# Altium PCB 键盘-DeckDes.PcbDoc (part 3 of 4) (continued)
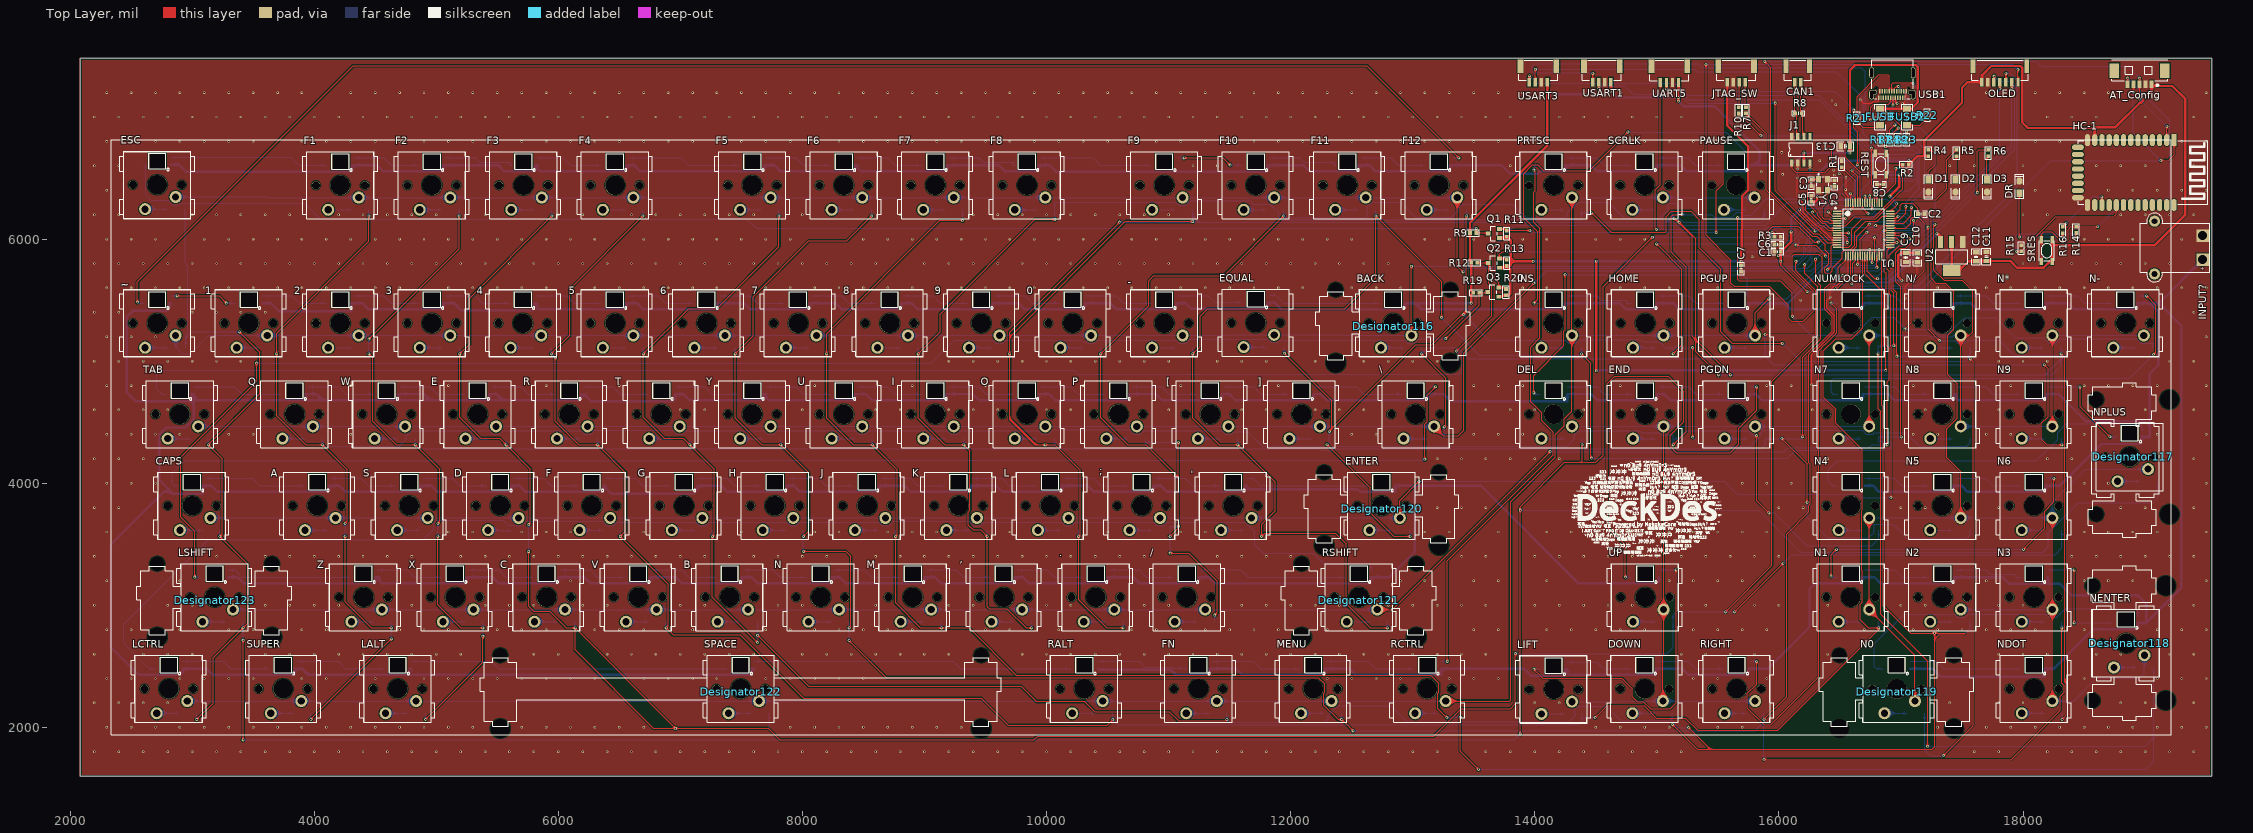
[diagram p0: Top Layer view]
## Nets (pads, with @x,y where several pads share a name; then routed paths per layer and width w, separated by ;. In a path a pad name is that pad's centre, name@x,y a point inside that pad or via, vN(x,y) a via of type N, cw(c..) or ccw(c..) an arc to the next point about the centre after c; other vN are vias at no path point) (continued)
NetD71_1: D71.1 SUPER.2 | length 182
  Bottom Layer w10: SUPER.2@3645,2115 D71.1@3827,2115
NetD72_1: D72.1 LALT.2 | length 182
  Bottom Layer w10: LALT.2@4585,2115 D72.1@4767,2115
NetD73_1: D73.1 SPACE.2 | length 187
  Bottom Layer w10: SPACE.2@7395,2115 D73.1@7582,2115
NetD74_1: D74.1 RALT.2 | length 187
  Bottom Layer w10: RALT.2@10210,2115 D74.1@10397,2115
NetD75_1: D75.1 FN.2 | length 187
  Bottom Layer w10: FN.2@11145,2115 D75.1@11332,2115
NetD76_1: D76.1 MENU.2 | length 187
  Bottom Layer w10: MENU.2@12085,2115 D76.1@12272,2115
NetD77_1: D77.1 RCTRL.2 | length 182
  Bottom Layer w10: RCTRL.2@13020,2115 D77.1@13202,2115
NetD78_1: D78.1 PRTSC.2 | length 182
  Bottom Layer w10: PRTSC.2@14055,6240 D78.1@14237,6240
NetD79_1: D79.1 SCRLK.2 | length 182
  Bottom Layer w10: SCRLK.2@14800,6240 D79.1@14982,6240
NetD80_1: D80.1 PAUSE.2 | length 187
  Bottom Layer w10: PAUSE.2@15550,6240 D80.1@15737,6240
NetD81_1: D81.1 INS.2 | length 182
  Bottom Layer w10: INS.2@14055,5110 D81.1@14237,5110
NetD82_1: D82.1 HOME.2 | length 182
  Bottom Layer w10: HOME.2@14805,5110 D82.1@14987,5110
NetD83_1: D83.1 PGUP.2 | length 187
  Bottom Layer w10: PGUP.2@15555,5110 D83.1@15742,5110
NetD84_1: D84.1 DEL.2 | length 187
  Bottom Layer w10: DEL.2@14055,4365 D84.1@14242,4365
NetD85_1: D85.1 END.2 | length 182
  Bottom Layer w10: END.2@14805,4365 D85.1@14987,4365
NetD86_1: D86.1 PGDN.2 | length 187
  Bottom Layer w10: PGDN.2@15555,4365 D86.1@15742,4365
NetD87_1: D87.1 UP.2 | length 182
  Bottom Layer w10: UP.2@14805,2865 D87.1@14987,2865
NetD88_1: D88.1 LIFT.2 | length 187
  Bottom Layer w10: LIFT.2@14055,2110 D88.1@14242,2110
NetD89_1: D89.1 DOWN.2 | length 182
  Bottom Layer w10: DOWN.2@14800,2115 D89.1@14982,2115
NetD90_1: D90.1 RIGHT.2 | length 177
  Bottom Layer w10: RIGHT.2@15555,2115 D90.1@15732,2115
NetD91_1: D91.1 NUMLOCK.2 | length 177
  Bottom Layer w10: NUMLOCK.2@16490,5110 D91.1@16667,5110
NetD92_1: D92.1 N/.2 | length 182
  Bottom Layer w10: N/.2@17240,5110 D92.1@17422,5110
NetD93_1: D93.1 N*.2 | length 177
  Bottom Layer w10: N*.2@17990,5110 D93.1@18167,5110
NetD94_1: D94.1 N-.2 | length 182
  Bottom Layer w10: N-.2@18740,5110 D94.1@18922,5110
NetD95_1: D95.1 N7.2 | length 182
  Bottom Layer w10: N7.2@16490,4365 D95.1@16672,4365
NetD96_1: D96.1 N8.2 | length 182
  Bottom Layer w10: N8.2@17240,4365 D96.1@17422,4365
NetD97_1: D97.1 N9.2 | length 182
  Bottom Layer w10: N9.2@17990,4365 D97.1@18172,4365
NetD98_1: D98.1 NPLUS.2 | length 182
  Bottom Layer w10: NPLUS.2@18775,4015 D98.1@18957,4015
NetD99_1: D99.1 N4.2 | length 182
  Bottom Layer w10: N4.2@16490,3615 D99.1@16672,3615
NetD100_1: D100.1 N5.2 | length 182
  Bottom Layer w10: N5.2@17240,3615 D100.1@17422,3615
NetD101_1: D101.1 N6.2 | length 182
  Bottom Layer w10: N6.2@17990,3615 D101.1@18172,3615
NetD102_1: D102.1 N1.2 | length 182
  Bottom Layer w10: N1.2@16490,2865 D102.1@16672,2865
NetD103_1: D103.1 N2.2 | length 182
  Bottom Layer w10: N2.2@17240,2865 D103.1@17422,2865
NetD104_1: D104.1 N3.2 | length 182
  Bottom Layer w10: N3.2@17990,2865 D104.1@18172,2865
NetD105_1: D105.1 NENTER.2 | length 182
  Bottom Layer w10: NENTER.2@18745,2490 D105.1@18927,2490
NetD106_1: D106.1 N0.2 | length 182
  Bottom Layer w10: N0.2@16865,2115 D106.1@17047,2115
NetD107_1: D107.1 NDOT.2 | length 185
  Bottom Layer w10: NDOT.2@17990,2115 D107.1@18175,2115
NetD_4: D.4 F.6 | length 550.1
  Bottom Layer w10: D.4@5637.2,4039.53 5881,4039.53 5940.06,3980.47 F.6@6162.8,3980.47
NetD_6: D.6 S.4 | length 545.1
  Bottom Layer w10: S.4@4892.2,4039.53 5133,4039.53 5192.06,3980.47 D.6@5412.8,3980.47
NetDEL_4: DEL.4 END.6 | length 550.1
  Bottom Layer w10: DEL.4@14267.2,4789.53 14511,4789.53 14570.06,4730.47 END.6@14792.8,4730.47
NetDOWN_4: DOWN.4 RIGHT.6 | length 555.1
  Bottom Layer w10: DOWN.4@15012.2,2539.53 15258,2539.53 15317.06,2480.47 RIGHT.6@15542.8,2480.47
NetDOWN_6: DOWN.6 LIFT.4 | length 543
  Bottom Layer w10: LIFT.4@14267.2,2534.53 14511,2534.53 14565.06,2480.47 DOWN.6@14787.8,2480.47
NetDR_1: DR.1 R16.2 | length 744.8
  Top Layer w10: v2(17970,6017) DR.1@17970,6375 ; v2(18325,6017) R16.2@18325,6048.82
  Bottom Layer w10: v2(17970,6017) v2(18325,6017)
NetE_4: E.4 R.6 | length 550.1
  Bottom Layer w10: E.4@5452.2,4789.53 5696,4789.53 5755.06,4730.47 R.6@5977.8,4730.47
NetE_6: E.6 W.4 | length 545.1
  Bottom Layer w10: W.4@4707.2,4789.53 4948,4789.53 5007.06,4730.47 E.6@5227.8,4730.47
NetEND_4: END.4 PGDN.6 | length 550.1
  Bottom Layer w10: END.4@15017.2,4789.53 15261,4789.53 15320.06,4730.47 PGDN.6@15542.8,4730.47
NetESC_4: ESC.4 F1.6 | length 1302.1
  Bottom Layer w10: ESC.4@2827.2,6669.53 3809.47,6669.53 3873.53,6605.47 F1.6@4102.8,6605.47
NetF1_4: F1.4 F2.6 | length 550.1
  Bottom Layer w10: F1.4@4327.2,6664.53 4571,6664.53 4630.06,6605.47 F2.6@4852.8,6605.47
NetF2_4: F2.4 F3.6 | length 571.5
  Bottom Layer w10: F2.4@5077.2,6664.53 5321,6664.53 5356.53,6629 5590,6629 5613.53,6605.47 F3.6@5602.8,6605.47
NetF3_4: F3.4 F4.6 | length 550.1
  Bottom Layer w10: F3.4@5827.2,6664.53 6041.33,6664.53 6100.39,6605.47 F4.6@6352.8,6605.47
NetF4_4: F4.4 F5.6 | length 925.1
  Bottom Layer w10: F4.4@6577.2,6664.53 7008,6664.53 7067.06,6605.47 F5.6@7477.8,6605.47
NetF5_4: F5.4 F6.6 | length 550.1
  Bottom Layer w10: F5.4@7702.2,6664.53 7946,6664.53 8005.06,6605.47 F6.6@8227.8,6605.47
NetF6_4: F6.4 F7.6 | length 550.1
  Bottom Layer w10: F6.4@8452.2,6664.53 8696,6664.53 8755.06,6605.47 F7.6@8977.8,6605.47
NetF7_4: F7.4 F8.6 | length 571.5
  Bottom Layer w10: F7.4@9202.2,6664.53 9446,6664.53 9481.53,6629 9715,6629 9738.53,6605.47 F8.6@9727.8,6605.47
NetF8_4: F8.4 F9.6 | length 925.1
  Bottom Layer w10: F8.4@9952.2,6664.53 10383,6664.53 10442.06,6605.47 F9.6@10852.8,6605.47
NetF9_4: F9.4 F10.6 | length 550.4
  Top Layer w10: v2(11128,6665) 11444.47,6665 v2(11504,6605.47)
  Bottom Layer w10: F9.4@11077.2,6664.53 11127.53,6664.53 v2(11128,6665) ; v2(11504,6605.47) F10.6@11602.8,6605.47
NetF10_4: F10.4 F11.6 | length 571.5
  Bottom Layer w10: F10.4@11827.2,6664.53 12071,6664.53 12106.53,6629 12340,6629 12363.53,6605.47 F11.6@12352.8,6605.47
NetF11_4: F11.4 F12.6 | length 550.1
  Bottom Layer w10: F11.4@12577.2,6664.53 12821,6664.53 12880.06,6605.47 F12.6@13102.8,6605.47
NetF_4: F.4 G.6 | length 555.1
  Bottom Layer w10: F.4@6387.2,4039.53 6633,4039.53 6692.06,3980.47 G.6@6917.8,3980.47
NetFN_4: FN.4 MENU.6 | length 740.1
  Bottom Layer w10: FN.4@11357.2,2539.53 11696,2539.53 11755.06,2480.47 MENU.6@12072.8,2480.47
NetFN_6: FN.6 RALT.4 | length 756.5
  Bottom Layer w10: RALT.4@10422.2,2539.53 10758,2539.53 10804.65,2492.87 11029.47,2492.87 11037.35,2485 11139,2485 11143.53,2480.47 FN.6@11132.8,2480.47
NetFUSB2_1: FUSB2.1 R22.2 | length 188.6
  Top Layer w10: FUSB2.1@17050,6932.5 17158.08,6932.5 R22.2@17215,6989.41
NetFUSB_2: FUSB.2 R21.1 | length 226.1
  Top Layer w10: R21.1@16640,6965 16688.48,6916.52 16802.5,6916.52 16802.5,6932.5 FUSB.2@16830,6932.5
NetG_4: G.4 H.6 | length 545.1
  Bottom Layer w10: G.4@7142.2,4039.53 7383,4039.53 7442.06,3980.47 H.6@7662.8,3980.47
NetH_4: H.4 J.6 | length 555.1
  Bottom Layer w10: H.4@7887.2,4039.53 8133,4039.53 8192.06,3980.47 J.6@8417.8,3980.47
NetHC-1_24: HC-1.24 R16.1 | length 490.2
  Top Layer w10: R16.1@18325,6100 v2(18353,6128) ; HC-1.24@18646.54,6279.25 v2(18646.54,6346)
  Bottom Layer w10: v2(18353,6128) 18571,6346 v2(18646.54,6346)
NetHC-1_26: HC-1.26 R14.1 R15.1 | length 1690.9
  Top Layer w10: v2(17945,5899.41) R15.1@17985,5899.41 18269.6,6184 18744,6184 18764.65,6204.65 HC-1.26@18764.65,6279.25 ; v2(18435,6017.4) R14.1@18435,6049.41
  Bottom Layer w10: v2(17945,5899.41) 17945,6030 17960,6045 18407.4,6045 v2(18435,6017.4)
NetHOME_4: HOME.4 PGUP.6 | length 550.1
  Bottom Layer w10: HOME.4@15017.2,5534.53 15261,5534.53 15320.06,5475.47 PGUP.6@15542.8,5475.47
NetHOME_6: HOME.6 INS.4 | length 560.8
  Bottom Layer w10: INS.4@14267.2,5534.53 14511,5534.53 14546.53,5499 14736.47,5499 14760,5475.47 HOME.6@14792.8,5475.47 HOME.6@14803.53,5475.47
NetI_4: I.4 O.6 | length 550.1
  Bottom Layer w10: I.4@9202.2,4789.53 9446,4789.53 9505.06,4730.47 O.6@9727.8,4730.47
NetI_6: I.6 U.4 | length 550.1
  Bottom Layer w10: U.4@8452.2,4789.53 8696,4789.53 8755.06,4730.47 I.6@8977.8,4730.47
NetINS_6: INS.6 PAUSE.4 | length 3313.8
  Top Layer w10: v2(13993,5475.47) 14023,5505.47 14023,6061 13908,6176 13908,6535 13980,6607 14024,6607 14072,6559 14445,6559 v2(14763,6877)
  Bottom Layer w10: v2(13993,5475.47) INS.6@14042.8,5475.47 ; v2(14763,6877) 15569,6877 15746,6700 15746,6664.53 PAUSE.4@15762.2,6664.53
NetJ_4: J.4 K.6 | length 550.1
  Bottom Layer w10: J.4@8642.2,4039.53 8886,4039.53 8945.06,3980.47 K.6@9167.8,3980.47
NetJTAG_SW_1: JTAG_SW.1 R7.1 | length 206.8
  Top Layer w10: JTAG_SW.1@15724.21,7285 15724.21,7086.38 R7.1@15730,7080.59
NetJTAG_SW_2: JTAG_SW.2 R10.1 | length 207.1
  Top Layer w10: R10.1@15670,7080 15675,7085 JTAG_SW.2@15675,7285
NetK_4: K.4 L.6 | length 550.1
  Bottom Layer w10: K.4@9392.2,4039.53 9636,4039.53 9695.06,3980.47 L.6@9917.8,3980.47
NetLALT_4: LALT.4 SPACE.6 | length 2610.1
  Bottom Layer w10: LALT.4@4797.2,2539.53 5452.47,2539.53 5511.53,2480.47 SPACE.6@7382.8,2480.47
NetLALT_6: LALT.6 SUPER.4 | length 740.1
  Bottom Layer w10: SUPER.4@3857.2,2539.53 4196,2539.53 4255.06,2480.47 LALT.6@4572.8,2480.47
NetLCTRL_4: LCTRL.4 SUPER.6 | length 735.1
  Bottom Layer w10: LCTRL.4@2922.2,2539.53 3258,2539.53 3317.06,2480.47 SUPER.6@3632.8,2480.47
NetLIFT_6: LIFT.6 UP.4 | length 2641.4
  Top Layer w10: v2(13992,2476) 14065,2403 14714,2403 14800,2317 14800,2251 14840,2211 14888,2211 14949,2150 15108,2150 15158,2200 v2(15158,3289)
  Bottom Layer w10: v2(13992,2476) 13992.53,2475.47 LIFT.6@14042.8,2475.47 ; UP.4@15017.2,3289.53 15157.47,3289.53 v2(15158,3289)
NetLSHIFT_4: LSHIFT.4 Z.6 | length 1020.1
  Bottom Layer w10: LSHIFT.4@3297.2,3289.53 3347.68,3289.53 3406.73,3230.47 Z.6@4292.8,3230.47
NetM_6: M.6 N.4 | length 555.1
  Bottom Layer w10: N.4@8262.2,3289.53 8508,3289.53 8567.06,3230.47 M.6@8792.8,3230.47
NetMENU_4: MENU.4 RCTRL.6 | length 735.1
  Bottom Layer w10: MENU.4@12297.2,2539.53 12633,2539.53 12692.06,2480.47 RCTRL.6@13007.8,2480.47
NetN0_4: N0.4 NDOT.6 | length 925.1
  Bottom Layer w10: N0.4@17077.2,2539.53 17291,2539.53 17350.06,2480.47 NDOT.6@17977.8,2480.47
NetN0_6: N0.6 NENTER.4 | length 2643
  Bottom Layer w10: N0.6@16852.8,2480.47 16800,2480.47 16783,2497.47 16783,2683 17028,2928 17439.19,2928 17464.28,2902.91 17525,2902.91 17550.09,2928 18189.19,2928 18214.28,2902.91 18277,2902.91 18346.09,2972 18920,2972 18941,2951 18941,2914.53 NENTER.4@18957.2,2914.53
NetN1_4: N1.4 N2.6 | length 550.1
  Bottom Layer w10: N1.4@16702.2,3289.53 16946,3289.53 17005.06,3230.47 N2.6@17227.8,3230.47
NetN1_6: N1.6 N6.4 | length 2559.4
  Top Layer w10: v2(16427,3239) 16427,3413 v2(16472,3458) ; v2(18004,3458) 18177.81,3631.81 18177.81,3771.46 18253,3846.66 v2(18253,4039.53)
  Bottom Layer w10: v2(16427,3239) 16435.53,3230.47 N1.6@16477.8,3230.47 ; v2(16472,3458) v2(18004,3458) ; N6.4@18202.2,4039.53 v2(18253,4039.53)
NetN2_4: N2.4 N3.6 | length 560.8
  Bottom Layer w10: N2.4@17452.2,3289.53 17696,3289.53 17731.53,3254 17926.47,3254 17950,3230.47 N3.6@17977.8,3230.47 N3.6@17988.53,3230.47
NetN3_4: N3.4 NENTER.6 | length 964.6
  Top Layer w10: v2(18419,2855.47) v2(18419,3289.53)
  Bottom Layer w10: N3.4@18202.2,3289.53 v2(18419,3289.53) ; v2(18419,2855.47) NENTER.6@18732.8,2855.47
NetN4_4: N4.4 N5.6 | length 550.1
  Bottom Layer w10: N4.4@16702.2,4039.53 16946,4039.53 17005.06,3980.47 N5.6@17227.8,3980.47
NetN4_6: N4.6 NPLUS.4 | length 2992.4
  Bottom Layer w10: N4.6@16477.8,3980.47 16440,3980.47 16405,4015.47 16405,4109 16480,4184 18110,4184 18283,4357 18283,4414 18354.87,4485.87 18960,4485.87 18971,4474.87 18971,4439.53 NPLUS.4@18987.2,4439.53
NetN5_4: N5.4 N6.6 | length 550.1
  Bottom Layer w10: N5.4@17452.2,4039.53 17696,4039.53 17755.06,3980.47 N6.6@17977.8,3980.47
NetN7_4: N7.4 N8.6 | length 550.1
  Bottom Layer w10: N7.4@16702.2,4789.53 16946,4789.53 17005.06,4730.47 N8.6@17227.8,4730.47
NetN7_6: N7.6 N-.4 | length 3461
  Top Layer w10: v2(19012,5534.53) 19087,5459.53 19087,5072 v2(19069,5054)
  Bottom Layer w10: N7.6@16477.8,4730.47 16440,4730.47 16427,4743.47 16427,4838 16450,4861 18876,4861 v2(19069,5054) ; N-.4@18952.2,5534.53 v2(19012,5534.53)
NetN8_4: N8.4 N9.6 | length 550.1
  Bottom Layer w10: N8.4@17452.2,4789.53 17696,4789.53 17755.06,4730.47 N9.6@17977.8,4730.47
NetN*_4: N*.4 N-.6 | length 550.1
  Bottom Layer w10: N*.4@18202.2,5534.53 18446,5534.53 18505.06,5475.47 N-.6@18727.8,5475.47
NetN*_6: N*.6 N/.4 | length 550.1
  Bottom Layer w10: N/.4@17452.2,5534.53 17696,5534.53 17755.06,5475.47 N*.6@17977.8,5475.47
NetN/_6: N/.6 NUMLOCK.4 | length 550.1
  Bottom Layer w10: NUMLOCK.4@16702.2,5534.53 16946,5534.53 17005.06,5475.47 N/.6@17227.8,5475.47
NetNUMLOCK_6: NUMLOCK.6 RIGHT.4 | length 4462.6
  Top Layer w10: v2(15818,2540) 15818,2353 15742,2277 15742,2157 15879,2020 15933,2020 16326,2413 16326,5086 16376.49,5136.49 16378.04,5136.49 16472.75,5231.19 16472.75,5429.25 v2(16427,5475)
  Bottom Layer w10: RIGHT.4@15767.2,2539.53 15817.53,2539.53 v2(15818,2540) ; v2(16427,5475) 16427.47,5475.47 NUMLOCK.6@16477.8,5475.47
NetO_4: O.4 P.6 | length 550.1
  Bottom Layer w10: O.4@9952.2,4789.53 10196,4789.53 10255.06,4730.47 P.6@10477.8,4730.47
NetPAUSE_6: PAUSE.6 SCRLK.4 | length 550.1
  Bottom Layer w10: SCRLK.4@15012.2,6664.53 15256,6664.53 15315.06,6605.47 PAUSE.6@15537.8,6605.47
NetPGDN_4: PGDN.4 UP.6 | length 4086.6
  Top Layer w10: v2(14742,3230.47) 14742,3494 14595,3641 14595,4815 14655,4875 15095,4875 15220,4750 15220,4505 15108,4393 15108,4302 15160,4250 15600.34,4250 15670.34,4320 15670.34,4449 15818,4596.66 v2(15818,4789.53)
  Bottom Layer w10: v2(14742,3230.47) UP.6@14792.8,3230.47 ; PGDN.4@15767.2,4789.53 v2(15818,4789.53)
NetPRTSC_4: PRTSC.4 SCRLK.6 | length 545.1
  Bottom Layer w10: PRTSC.4@14267.2,6664.53 14508,6664.53 14567.06,6605.47 SCRLK.6@14787.8,6605.47
NetPRTSC_6: PRTSC.6 RCTRL.4 | length 4652.8
  Top Layer w10: v2(13283,2540) 13283,3366.12 14150.88,4234 14150.88,4419.12 14059,4511 14059,4575 13967,4667 13967,5114 14042.72,5189.72 14042.72,6088.28 13992,6139 13992,6384 14002,6394 14002,6555 v2(13992,6565)
  Bottom Layer w10: RCTRL.4@13232.2,2539.53 13282.53,2539.53 v2(13283,2540) ; v2(13992,6565) 13992,6587 14010.47,6605.47 PRTSC.6@14042.8,6605.47
NetQ_4: Q.4 W.6 | length 555.1
  Bottom Layer w10: Q.4@3952.2,4789.53 4198,4789.53 4257.06,4730.47 W.6@4482.8,4730.47
NetQ_6: Q.6 TAB.4 | length 740.1
  Bottom Layer w10: TAB.4@3012.2,4789.53 3351,4789.53 3410.06,4730.47 Q.6@3727.8,4730.47
NetR1_1: R1.1 U1.60 | length 336.3
  Top Layer w10: R1.1@16515,6588.82 16626.1,6477.72 U1.60@16626.1,6298.5
NetR3_1: R3.1 U1.28 | length 1030.3
  Top Layer w10: v2(15944,6052) 15964,6052 R3.1@15964.41,6020 ; v2(16141.87,5950.13) 16301.07,5950.13 16382.31,5868.89 v2(16382.31,5860) ; v2(16763.9,5809) U1.28@16763.9,5861.5
  Bottom Layer w10: v2(15944,6052) 16025.87,5970.13 16121.87,5970.13 v2(16141.87,5950.13) ; v2(16382.31,5860) 16391.21,5860 16413.7,5837.5 16735.4,5837.5 v2(16763.9,5809)
NetR21_2: R21.2 USB1.B5 | length 620.3
  Top Layer w10: R21.2@16640,7016.18 16640,7167 16819.85,7346.85 16891.88,7346.85 16905.4,7333.33 USB1.B5@16905.4,7209.31
NetR22_1: R22.1 USB1.A5 | length 577.6
  Top Layer w10: v2(16881,7031) 16977,7031 17005,7003 17177.4,7003 R22.1@17215,7040.59 ; USB1.A5@16954.61,7158.13 16954.61,7125.39 v2(16968,7112)
  Bottom Layer w10: v2(16881,7031) 16881,7081 16930,7130 16950,7130 v2(16968,7112)
NetR_4: R.4 T.6 | length 555.1
  Bottom Layer w10: R.4@6202.2,4789.53 6448,4789.53 6507.06,4730.47 T.6@6732.8,4730.47
NetRALT_6: RALT.6 SPACE.4 | length 2615.1
  Bottom Layer w10: SPACE.4@7607.2,2539.53 9236.47,2539.53 9295.53,2480.47 RALT.6@10197.8,2480.47
NetT_4: T.4 Y.6 | length 545.1
  Bottom Layer w10: T.4@6957.2,4789.53 7198,4789.53 7257.06,4730.47 Y.6@7477.8,4730.47
NetU_6: U.6 Y.4 | length 550.1
  Bottom Layer w10: Y.4@7702.2,4789.53 7946,4789.53 8005.06,4730.47 U.6@8227.8,4730.47
NetX_6: X.6 Z.4 | length 550.1
  Bottom Layer w10: Z.4@4517.2,3289.53 4761,3289.53 4820.06,3230.47 X.6@5042.8,3230.47
NRST: C8.1 R2.2 REST.1 U1.7 | length 1261.4
  Top Layer w10: U1.7@16476.5,6109.53 16546.53,6109.53 16620.49,6183.49 16786.21,6183.49 17013.82,6411.1 R2.2@17013.82,6610 16885,6610 16879.29,6604.29 ; C8.1@16855.59,6450 16879.29,6473.7 REST.1@16879.29,6526.42 16879.29,6604.29 ; REST.1@16879.29,6703.58 16879.29,6604.29
OLED_CLK(PA5): OLED.3 U1.21 | length 2995.1
  Top Layer w10: v2(16597,5634) 16605,5642 16605,5800.9 16626.1,5822 U1.21@16626.1,5861.5 ; OLED.3@17860,7285 v2(17860,7357)
  Bottom Layer w10: v2(16597,5634) 16614.38,5616.62 17140.62,5616.62 17952,6428 17952,7296 17891,7357 v2(17860,7357)
OLED_DC(PA4): OLED.4 U1.20 | length 2261
  Top Layer w10: U1.20@16606.42,5861.5 16606.42,5908.42 16638,5940 16638,6020 v2(16740.82,6122.82) ; v2(17810.79,7233) OLED.4@17810.79,7285
  Bottom Layer w10: v2(16740.82,6122.82) 16760.82,6142.82 17038.43,6142.82 17073,6108.24 17135,6108.24 17156.65,6129.89 17156.65,6163.03 17158.09,6164.47 17278.47,6164.47 17810.79,6696.79 v2(17810.79,7233)
OLED_MOSI(PA7): OLED.2 U1.23 | length 2262.6
  Top Layer w10: U1.23@16665.47,5861.5 16665.47,6000 v2(16721.14,6055.67) ; v2(17909,7233) 17909.21,7233.21 OLED.2@17909.21,7285
  Bottom Layer w10: v2(16721.14,6055.67) 16740.71,6075.24 16815.24,6075.24 16864.94,6124.94 17008.8,6124.94 17043.37,6090.37 17154.23,6090.37 17174.52,6110.67 17174.52,6130 17191.12,6146.6 17296.89,6146.6 17909,6758.71 v2(17909,7233)
OLED_RST(PA6): OLED.5 U1.22 | length 2555.3
  Top Layer w10: v2(16645.79,5792) U1.22@16645.79,5861.5 ; OLED.5@17761.57,7285 17761.57,7334.02 v2(17763.28,7335.72)
  Bottom Layer w10: v2(16645.79,5792) 16653.67,5784.12 16780,5784.12 16865.71,5869.82 16865.71,5906.71 16995.75,6036.75 17207.55,6036.75 17260,6089.19 17288.75,6089.19 17934,6734.45 17934,7260 17902,7292 17807,7292 v2(17763.28,7335.72)
PH0_OSC_IN: C4.2 U1.5 Y1.3 | length 441.1
  Top Layer w10: C4.2@16455,6430 16425,6400 Y1.3@16397.83,6400 16397.83,6301.27 16356.55,6259.99 16356.55,6177.27 16368.31,6165.5 16413.38,6165.5 16429.98,6148.9 U1.5@16476.5,6148.9
PH1_OSC_OUT: C3.1 U1.6 Y1.1 | length 591.1
  Top Layer w10: Y1.1@16325,6490.55 16296.96,6490.55 16292,6485.59 C3.1@16265,6485.59 16237,6457.6 16237,6291.79 16237.13,6291.67 16237.13,6284.67 16244.67,6277.13 16253.06,6277.13 16299.88,6230.31 16299.88,6228.91 16318.79,6210 16318.79,6189.75 16360.91,6147.63 16395.5,6147.63 16413.92,6129.21 U1.6@16476.5,6129.21
SWCLK(PA14): R10.2 U1.49 | length 2084
  Top Layer w10: R10.2@15670,7028.82 v2(15851.94,6846.88) ; U1.49@16842.64,6298.5 16842.64,6340.64 16959,6457 v2(16959,6580)
  Bottom Layer w10: v2(15851.94,6846.88) 16586.88,6846.88 16766.76,6667 17082.88,6667 17089.88,6660 17089.88,6629.88 17040,6580 v2(16959,6580)
SWDIO(PA13): R7.2 U1.46 | length 2459.8
  Top Layer w10: R7.2@15730,7029.41 15897,6862.41 15897,6399.72 16272.6,6024.13 16311.06,6024.13 16380,5955.19 16380,5908 16410,5878 16410,5799.36 16374,5763.36 16374,5730 16384,5720 16419,5720 16439,5740 16439,5761 16520,5842 16520,5891 16540,5911 16583,5911 16620,5948 16620,6055 16712.74,6147.74 16804.47,6147.74 16845,6188.27 U1.46@16913.5,6188.27
UART5_RX: U1.54 UART5.3 | length 3003.6
  Top Layer w10: UART5.3@15078.74,7283.11 15078.74,7231.26 v2(15079,7231) ; U1.54@16744.21,6298.5 v2(16744.21,6351)
  Bottom Layer w10: v2(15079,7231) 15171,7231 15262.32,7139.68 16329.83,7139.68 16775.62,6693.89 17102.11,6693.89 17107.76,6688.24 17107.76,6490 17096.51,6478.76 16827.76,6478.76 16744.21,6395.21 v2(16744.21,6351)
UART5_TX: U1.53 UART5.4 | length 3263.6
  Top Layer w10: v2(14997,6080) 14987,6090 14987,6402 15029.53,6444.53 UART5.4@15029.53,7283.11 ; v2(16763.9,6246) U1.53@16763.9,6298.5
  Bottom Layer w10: v2(14997,6080) 15886.49,6080 15901.24,6094.76 16008.05,6094.76 16071.66,6031.15 16120,6031.15 16132.46,6043.61 16132.46,6164.61 16220.99,6253.15 16450.94,6253.15 16476.39,6278.61 16664.29,6278.61 16696.9,6246 v2(16763.9,6246)
USART1_RX: U1.42 USART1.3 | length 3381.9
  Top Layer w10: v2(14525,7233) USART1.3@14525,7285 ; v2(15970,7114) 15970,6394 v2(16297,6067) ; v2(16791.53,6109.53) U1.42@16913.5,6109.53
  Bottom Layer w10: v2(14525,7233) 14548,7256 14734,7256 14805.28,7184.72 15190,7184.72 15260.72,7114 v2(15970,7114) ; v2(16297,6067) 16320.27,6067 16348.16,6094.89 16776.89,6094.89 v2(16791.53,6109.53)
USART1_TX: U1.43 USART1.4 | length 5097.5
  Top Layer w10: USART1.4@14475.79,7285 v2(14475.79,7357) ; U1.43@16913.5,6129.21 17021.74,6129.21 17086.3,6193.77 v2(17086.3,6260)
  Bottom Layer w10: v2(14475.79,7357) 14468.79,7364 13990,7364 13980,7374 13980,7415 14000,7435 15339,7435 15370,7404 16675,7404 16707.76,7371.24 16707.76,7058.13 16944.26,6821.63 17108.37,6821.63 17194,6736 17194,6407 17086.3,6299.3 v2(17086.3,6260)
USART3_RX: U1.52 USART3.3 | length 4403.6
  Top Layer w10: USART3.3@14005,7285 v2(14005,7391) ; U1.52@16783.58,6298.5 16783.58,6394.58 v2(16784,6395)
  Bottom Layer w10: v2(14005,7391) 15307,7391 15327,7371 16470.49,7371 16689.88,7151.61 16689.88,6863.24 16820,6733.12 17101.88,6733.12 17132.44,6702.56 17132.44,6457.44 17070,6395 v2(16784,6395)
USART3_TX: U1.51 USART3.4 | length 3586.7
  Top Layer w10: USART3.4@13955.79,7285 13955.79,7336.79 v2(13956,7337) ; v2(16760,6745.26) 16760,6441 16781,6420 16800,6420 16815,6405 16815,6366.73 16803.27,6355 U1.51@16803.27,6298.5
  Bottom Layer w10: v2(13956,7337) 14015,7278 15151,7278 15252,7177 16328.26,7177 v2(16760,6745.26)
USB_D+_1: R18.2 USB1.A6 | length 366.3
  Top Layer w10: v2(16924,7001.07) 17002.88,6922.19 17002.88,6868.47 R18.2@16975,6840.59 ; v2(16934.93,7098) USB1.A6@16934.93,7158.13
  Bottom Layer w10: v2(16924,7001.07) 16924,7087.07 v2(16934.93,7098)
USB_D+_2: R24.2 USB1.B6 | length 781.9
  Top Layer w10: R24.2@16910,6841.18 16910,6895 v2(16950,6935) ; USB1.B6@16925.08,7209.31 16925.08,7270 16936.08,7281 17092.98,7281 v2(17100,7273.98)
  Bottom Layer w10: v2(16950,6935) 17133,7118 17133,7240.98 v2(17100,7273.98)
USB_D-_1: R17.2 USB1.A7 | length 527.7
  Top Layer w10: v2(16751,6974) 16751,7080 16777,7106 16895.24,7106 16915.24,7126 USB1.A7@16915.24,7158.13 ; R17.2@16840,6840.59 16853.42,6854 v2(16871,6854)
  Bottom Layer w10: v2(16751,6974) v2(16871,6854)
USB_D-_2: R23.2 USB1.B7 | length 686.1
  Top Layer w10: USB1.B7@16944.77,7209.31 16944.77,7234.54 16960,7249.77 v2(16980.23,7249.77) ; R23.2@17045,6840.59 v2(17045,6879)
  Bottom Layer w10: v2(16980.23,7249.77) 17059,7171 17059,7090 16917.51,6948.51 16927,6879 v2(17045,6879)
USB_OTG_FS_DM: R17.1 R23.1 U1.44 | length 1240.6
  Top Layer w10: R17.1@16840,6789.41 v2(16871.41,6758) 16872.41,6757 17012.6,6757 R23.1@17045,6789.41 ; U1.44@16913.5,6148.9 16977.54,6148.9 17040,6211.36 v2(17040,6265)
  Bottom Layer w10: v2(16871.41,6758) 17124,6758 17151,6731 17151,6410.18 17040,6299.18 v2(17040,6265)
USB_OTG_FS_DM_D+: R18.1 R24.1 U1.45 | length 1592.2
  Top Layer w10: R24.1@16910,6790 16942,6790 16942.59,6789.41 R18.1@16975,6789.41 16938,6826.41 16938,6870 v2(16978,6910) ; U1.45@16913.5,6168.58 16959.58,6168.58 v2(16977,6186)
  Bottom Layer w10: v2(16977,6186) 17030.12,6186 17090,6126.12 17115,6126.12 17137.43,6148.55 17137.43,6170.77 17152.66,6186 17250,6186 17280,6216 17280,6790 17160,6910 v2(16978,6910)
VCC3V3: AT_Config.1 C1.1 C5.1 C7.1 C11.2 C12.2 HC-1.12 JTAG_SW.4 OLED.7 Q1.1 Q2.1 Q3.1 R2.1 R4.2 R11.2 R13.2 R20.2 SRES.2 U1.1 U1.13 U1.19 U1.32 U1.48 U1.64 U2.2 U2.4 | length 21304.6
  Top Layer w10: v2(16015,5818) 16015,5786 v3(16231,5570) ; v3(16170,6240) 16170,6220 16298.12,6091.88 16308.12,6091.88 16407.29,5992.71 16475.21,5992.71 U1.13@16476.5,5991.42 ; v3(16465,5595) 16480,5595 16586.73,5701.73 U1.19@16586.73,5861.5 ; U1.1@16476.5,6227.64 16478.74,6229.88 16534.88,6229.88 16547.36,6242.36 U1.64@16547.36,6298.5 16547.36,6342.64 16520,6370 16520,6520 16505,6535 v3(16495,6535) ; U1.32@16842.64,5861.5 16842.64,5601.64 16860.87,5583.4 16860.87,5121.38 16875,5107.26 v3@16875,4925 ; U1.48@16913.5,6227.64 16964.45,6278.59 v3(16964.45,6290)
  Top Layer w20: Q3.1@13705.28,5527.6 13729,5527.6 13740.81,5539.41 R20.2@13765,5539.41 13787.41,5539.41 13798,5550 13798,5751.41 R13.2@13770,5779.41 ; Q2.1@13710,5765.2 13755.78,5765.2 R13.2@13770,5779.41 ; Q1.1@13710.28,6007.6 R11.2@13781.81,6007.6 ; R11.2@13770,6019.41 R11.2@13781.81,6007.6 ; v2(13987.6,5818) 13803,5818 ; v3(14505,4920) v3(14505,5820) ; JTAG_SW.4@15576.57,7285 15576.57,6931.43 15747.87,6760.13 15747.87,6399.46 15699.88,6351.47 15699.88,6170 15690.83,5817.98 C7.1@15690,5785.59 v2(15690,5818) ; v2(15995,5862.99) 16000,5862.99 16015,5877.99 ; v2(16015,5818) 16015,5877.99 ; v2(16101,6058.48) 16101,5981 C1.1@16015,5895 16015,5877.99 ; C5.1@16265,6305 16297,6305 16316.05,6324.05 v2(16316.05,6344.74) ; v2(16910,6352) 16985,6427 v2(16985,6525) ; v2(17065,6525) R2.1@17065,6610 ; v2(17065,6642.01) v2(17065,6641) R2.1@17065,6610 ; R4.2@17225,6679.41 17205.58,6679.41 ; U2.2@17415,5976.93 U2.4@17415,5743.07 17477,5743.07 17551.53,5817.6 C12.2@17615,5817.6 17617.59,5820.2 C11.2@17700,5820.2 17897,5820.2 17952.2,5765 18169,5765 18220.42,5816.42 SRES.2@18239.29,5816.42 SRES.2@18239.29,5993.58 18250,5951 19080,5951 19330,6201 19330,7147 19223,7254 AT_Config.1@19053.97,7254 ; HC-1.12@18587.48,6810.75 18587.48,6915 18755,6915 18957.12,7117.12 18967.92,7117.12 18985.43,7134.62 18985.43,7145.43 19053.97,7213.97 AT_Config.1@19053.97,7254 ; 18587.48,6860 18587.48,6910 18040,6910 17993,6957 17993,7405 17980,7418 17740.15,7418 17663.15,7341 OLED.7@17663.15,7285 17545,7285 17500,7240 17500,7117 17192,6809 17192,6693 17205.58,6679.41 ; AT_Config.1@19053.97,7269.35 AT_Config.1@19053.97,7254 ; R13.2@13770,5779.41 13792.41,5779.41 13803,5790 13803,5818 ; R11.2@13781.81,6007.6 13803,5986.41 13803,5818 ; R2.1@17065,6610 17134.41,6679.41 17205.58,6679.41
  Bottom Layer w10: v3(16231,5570) 16440,5570 v3(16465,5595) ; v3(16495,6535) 16495,6641
  Bottom Layer w20: v2(13987.6,5818) v2(15690,5818) v2(16015,5818) ; v3(14505,4920) 14508.82,4923.82 v3(16875.16,4923.82) ; v2(16101,6058.48) 16101,6171.91 16205.85,6276.76 16431.47,6276.76 ; v3(16170,6240) 16206.76,6276.76 16431.47,6276.76 ; v2(16316.05,6344.74) 16316.05,6531.05 16426,6641 16495,6641 v2(17065,6641) ; 16488.43,6323 16442.19,6276.76 16431.47,6276.76 ; v2(16910,6352) 16942.32,6319.68 16942.32,6312.13 v3(16964.45,6290) ; v2(17065,6525) 16671,6525 16626,6480 16626,6367 16581.93,6322.93 16477.65,6322.93 16431.47,6276.76